# KiCad board FrontEnd_5G.kicad_pcb (continued)
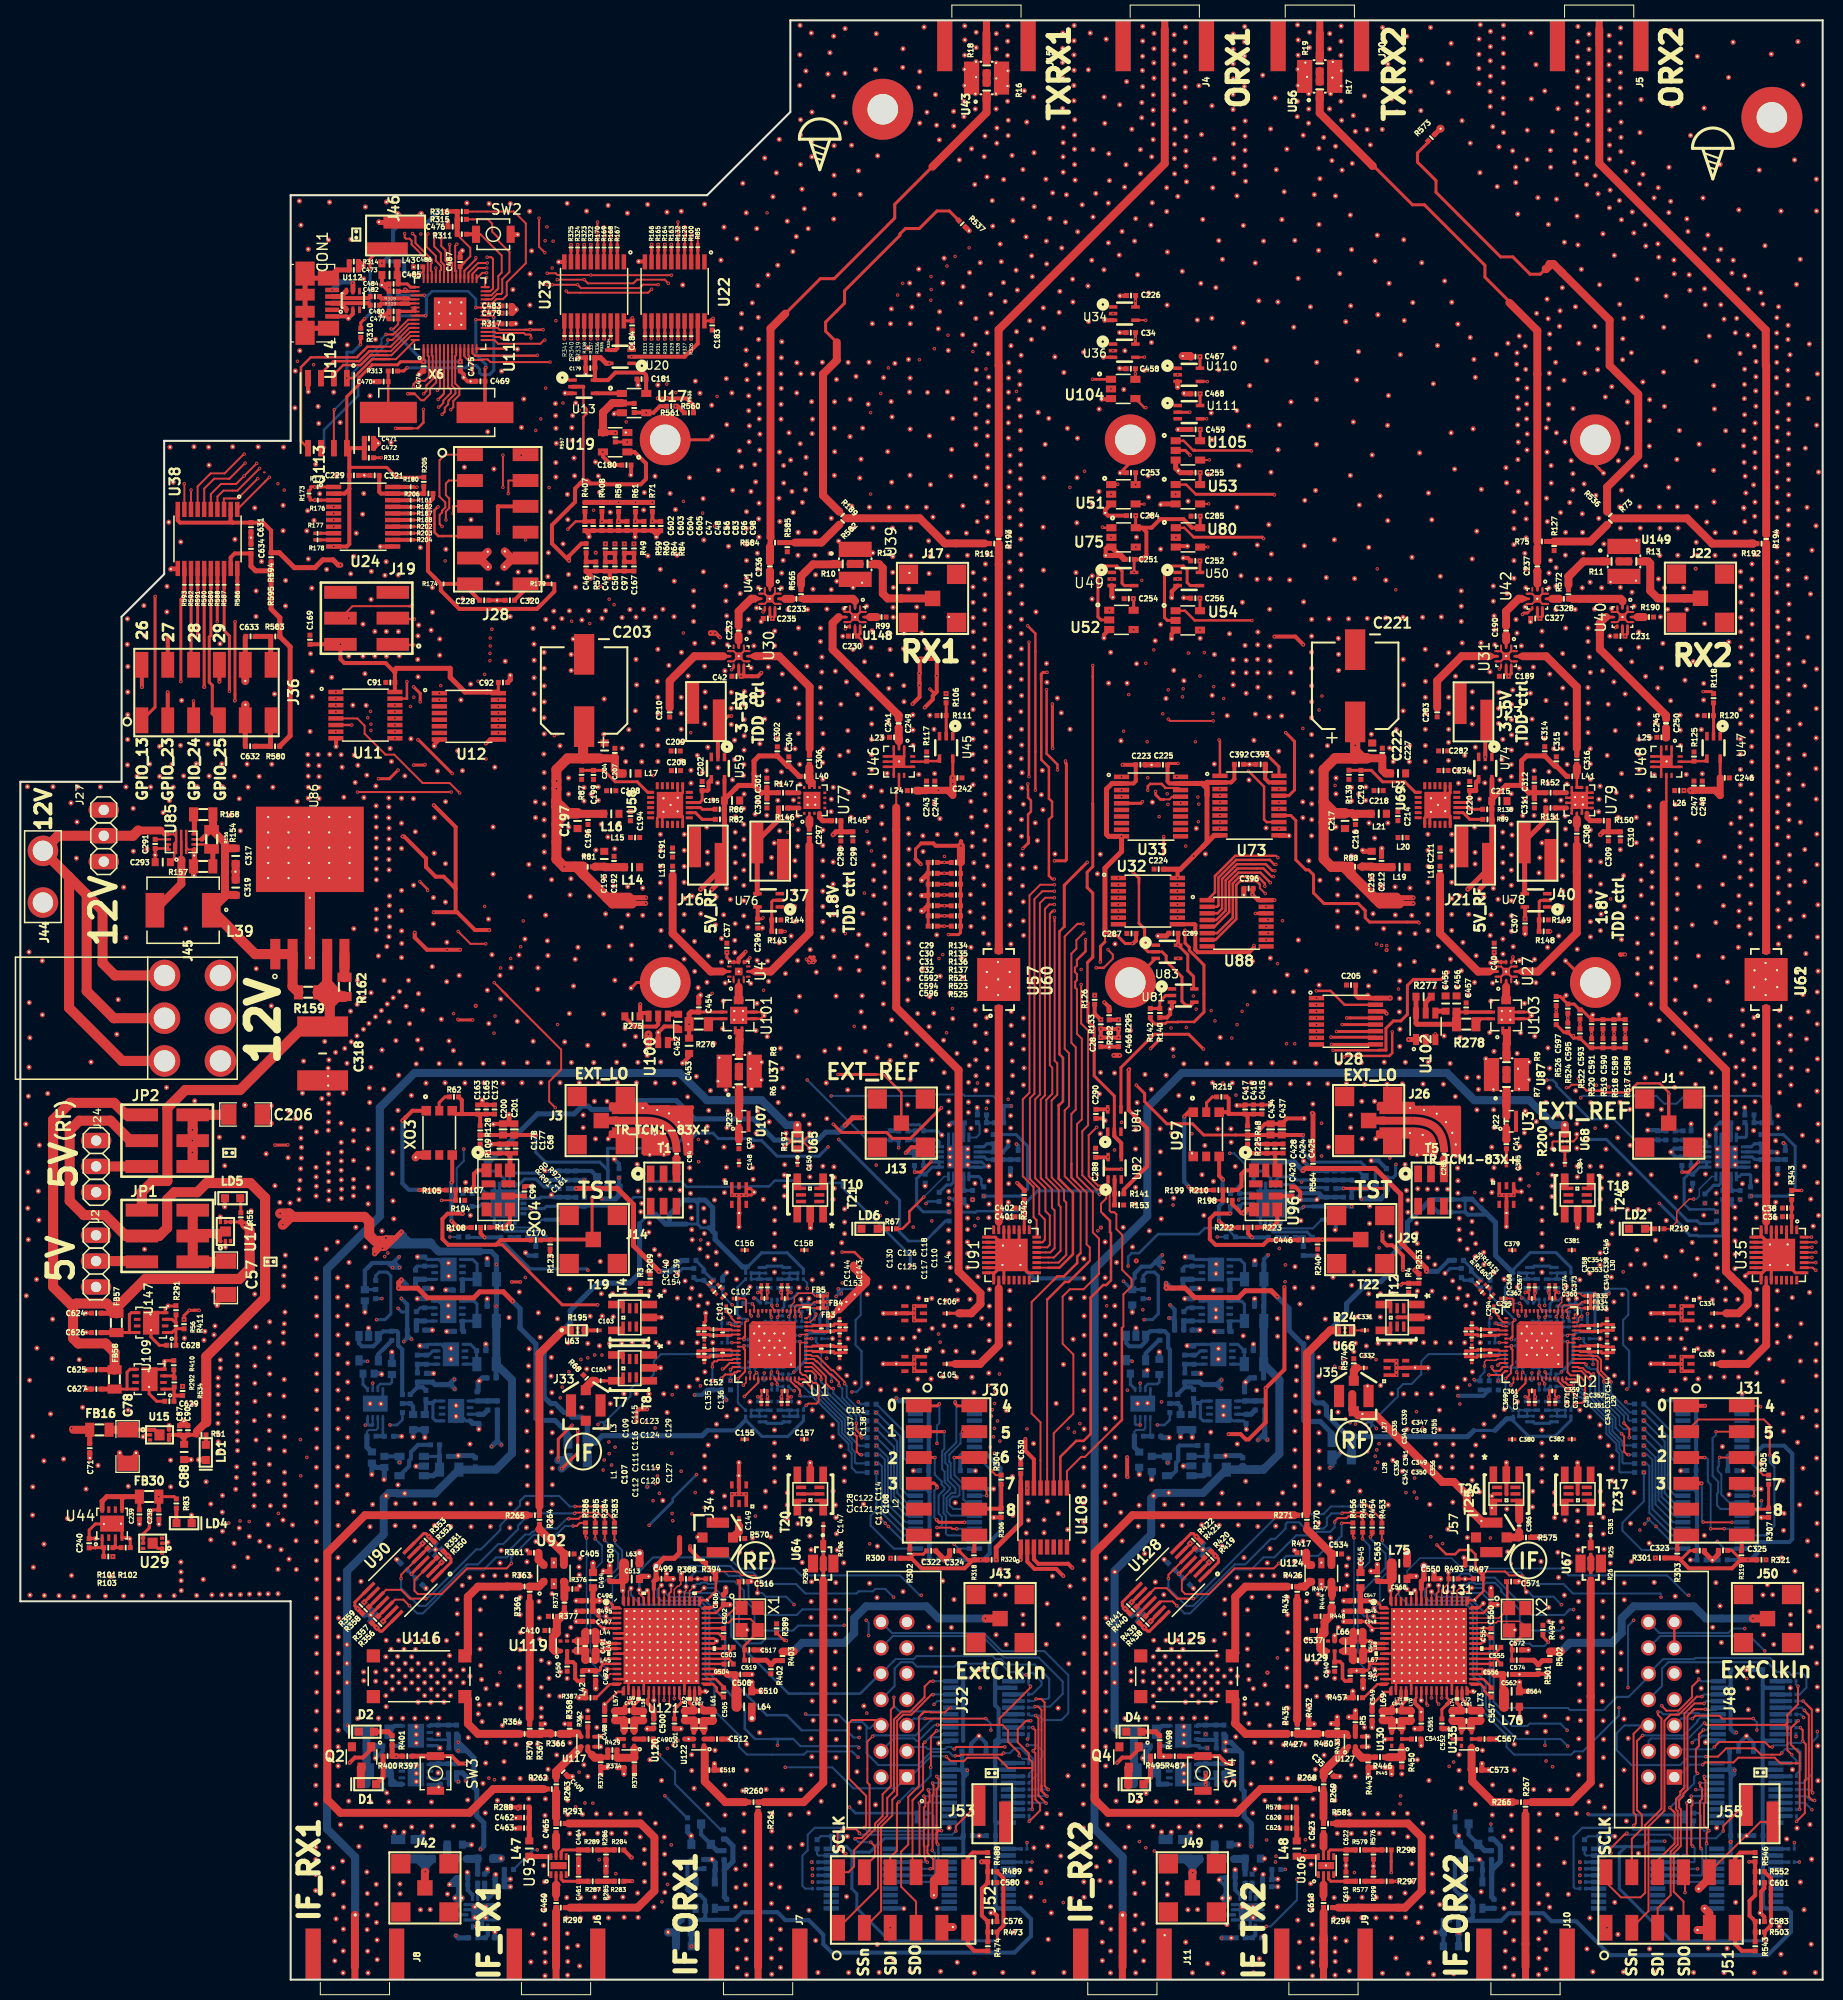
[diagram p0: board, top side]
## Routing (per net, layer and track width the routed paths; a pad name or vN(x,y) marks a point on that pad's centre or on a via; arc(x,y) is an arc through that point) (continued)
  F.RO w0.79: 70.69,92.02 70.69,92.42 ; 70.69,92.42 70.69,92.89 ; 70.69,92.42 70.67,92.4 U37.3
/RF/DA1/RF_OUT: length 5.3
  F.RO w0.2: U101.5 70.62,96.59 U4.2
  F.RO w0.3: 70.28,96.26 70.94,96.26 70.62,96.59 70.28,96.26
  F.RO w0.79: 70.62,97.59 70.62,96.26 70.62,96.59
/RF/DA1_EN_3V3: length 87.2
  F.RO w0.25: v1(105.4,157.31) 105.4,157.3 ; v1(105.4,157.31) 105.4,157.3 ; v1(105.4,157.31) 107.2,157.31 U104.1 105.4,157.3
  F.FR4 w0.25: v1(113.12,93.54) 113.73,92.93 116.14,92.93 116.43,93.23 v1(127.41,93.23)
  B.FR4 w0.2: 127.41,93.23 v1(127.41,93.23)
  B.FR4 w0.25: 105.41,157.32 v1(105.4,157.31) 105.4,146.02 105.95,145.47 105.95,144.56 105.36,143.97 105.36,138.95 104.82,138.41 104.82,125.1 105,124.92 105,123.3 105.93,122.37 105.93,112.81 107.81,110.93 108.54,110.93 110,109.47 110,102.71 112.28,100.43 112.28,99.95
  B.FR4 w0.3: 112.28,99.95 112.28,99.24 112.78,98.74 112.78,97.6 113.73,96.65 113.73,94.15 v1(113.12,93.54)
/RF/DA1_ON\off_3V3: length 49.7
  F.RO w0.25: U104.4 110.5,154.51 v1(110.64,154.51) ; v1(117.84,121.85) 117.92,121.77 U73.1
  F.FR4 w0.25: v1(108.45,122.71) 108.7,122.46 108.67,122.46 108.92,122.21 109.33,122.21 109.66,122.54 115.74,122.54 116.43,121.85 v1(117.84,121.85)
  B.FR4 w0.25: 108.79,146.5 108.79,131.3 108.33,130.84 108.33,127.96 108.08,127.71 108.08,123.08 v1(108.45,122.71)
  B.FR4 w0.3: 112.06,150.26 111.83,150.03 111.83,149.29 111.12,148.58 110.39,148.58 108.79,146.98 108.79,146.5 ; 111.83,152.58 111.83,153.32 v1(110.64,154.51)
  B.FR4 w0.4: 111.83,152.58 112.06,152.35 112.06,150.26
/RF/DA1_ON\off_5V: length 96.1
  F.RO w0.2: v1(90.84,110.41) 90.83,110.41
  F.RO w0.3: v1(64.51,92.42) 63.66,92.42 63.65,92.41 ; v1(122.4,120.54) 123.72,119.22 U73.20 ; v1(102.74,119.78) 102.74,119.6 102.83,119.51 102.83,110.09 102.71,109.97 v1(101.65,109.97)
  F.FR4 w0.2: 95.49,110.31 95.19,110.01 94.49,110.01 94.48,110 94.07,110.41
  F.FR4 w0.3: v1(122.4,120.54) 122.11,120.25 103.08,120.25 102.74,119.91 v1(102.74,119.78) ; 95.49,110.31 97.8,110.31 98.14,109.97 101.66,109.97 ; v1(68.01,96.94) 68.04,96.97 72.28,96.97 72.67,96.58 73.17,96.58 75.26,94.49 83.68,94.49 85.01,93.16 86.15,93.16 86.68,93.69 88.09,93.69 88.81,94.41 89.58,94.41 89.85,94.14 90.05,94.14 91.36,95.45 v1(91.63,95.45) ; v1(90.84,110.41) 94.07,110.41
  B.FR4 w0.2: 91.17,110.41 v1(90.84,110.41)
  B.FR4 w0.25: 92.07,98.19 92.07,98.89 91.75,99.21 91.75,101.31 92.07,101.63
  B.FR4 w0.3: 92.07,101.63 92.07,109.51 91.17,110.41 ; v1(91.63,95.45) 92.07,95.89 92.07,98.19
  B.FR4 w0.4: v1(68.01,96.94) 68.01,93.01 67.42,92.42 v1(64.51,92.42)
/RF/DA2/RF_IN: length 3.8
  F.RO w0.3: 146.13,92.89 U103.1 U103.2 146.13,93.03 146.13,92.89
  F.RO w0.79: U87.3 146.09,91.98 146.13,92.02 146.13,92.89
/RF/DA2/RF_OUT: length 3.8
  F.RO w0.3: U27.2 146.06,97.59 ; 146.06,96.59 U103.5 U103.6 146.06,96.59
  F.RO w0.79: 146.06,96.59 146.06,96.26 146.06,97.59
/RF/DA2_EN_3V3: length 77.7
  F.RO w0.25: U105.1 114.35,151.26 115.31,150.3 115.43,150.3 115.43,150.37 115.5,150.3 120.96,150.3 v1(121.01,150.25)
  F.FR4 w0.25: v1(127.41,92.58) 127.39,92.55 v1(119.09,92.55)
  B.FR4 w0.2: 127.41,92.58 v1(127.41,92.58)
  B.FR4 w0.25: v1(119.09,92.55) 119.09,96.81 115.76,100.14 115.76,108.98 118.53,111.75 118.53,123.15 119.91,124.53 119.91,130.2 119.68,130.43 119.68,131.4 119.97,131.69 119.97,134.07 121.01,135.11 v1(121.01,150.25)
/RF/DA2_ON\off_3V3: length 47.3
  F.RO w0.2: v1(116.88,149.38) 116.86,149.36 U105.4
  F.RO w0.3: 117.93,117.03 v1(117.92,117.03)
  F.FR4 w0.2: v1(114.24,126.09) 115.96,126.09 116.45,125.6 118.03,125.6 118.29,125.86 v1(118.29,125.92) ; v1(112.74,116.56) 113.16,116.56 113.3,116.7 113.73,116.7 114.06,117.03 v1(117.92,117.03)
  B.FR4 w0.2: v1(116.88,149.38) 118.33,149.38 118.49,149.22 118.49,144 118.15,143.66 118.15,134.35 117.77,133.97 117.77,131.16 117.75,131.15 117.93,130.97 117.93,126.28 v1(118.29,125.92) ; v1(112.74,116.56) 113.02,116.84 113.02,116.89 113.34,117.22 113.87,117.22 114.37,117.72 114.37,120.15 113.64,120.88 113.64,122.32 114.03,122.71 114.03,125.88 v1(114.24,126.09)
  B.FR4 w0.25: 117.92,117.03 v1(117.92,117.03)
/RF/DA2_ON\off_5V: length 38.6
  F.RO w0.25: v1(139.09,92.96) 139.09,92.96 U102.3 ; v1(123.71,117.02) 123.72,117.03 U73.18
  F.FR4 w0.25: v1(139.04,97.52) 138.89,97.37 v1(135.47,97.37)
  F.FR4 w0.3: v1(123.71,117.02) 124.64,117.02 125.31,117.69 128.92,117.69 v1(129.24,117.37)
  B.FR4 w0.2: 130.25,109.21 132.8,106.66 132.8,105.78 134.98,103.6 134.98,99.17
  B.FR4 w0.25: 129.42,112.5 130.25,111.66 130.25,109.21 ; v1(135.47,97.37) 135.35,97.37 134.98,97.74 134.98,99.17
  B.FR4 w0.3: v1(139.04,97.52) 139.09,97.47 v1(139.09,92.96) ; v1(129.24,117.37) 128.37,116.5 128.37,112.66 128.53,112.5 129.42,112.5
/RF/LNA1/RF_in: length 13.6
  F.RO w0.3: U39.5 80.44,133.93
  F.RO w0.79: C241.1 86.34,124.26 79.84,130.75 79.84,133.34 80.44,133.93
/RF/LNA1_EN_3V3: length 60.4
  F.RO w0.25: v1(107.05,134.59) U52.1
  F.FR4 w0.25: v1(127.41,94.53) 118.59,94.53
  F.FR4 w0.3: 118.59,94.53 117.72,93.65 115.53,93.65 115.47,93.59 v1(114.62,93.59)
  B.FR4 w0.2: 127.41,94.53 v1(127.41,94.53)
  B.FR4 w0.25: v1(107.05,134.59) 105.62,134.59 105.49,134.46 105.49,130.36 105.48,130.36 106.07,129.77 106.07,128.71 105.55,128.19 105.55,125.67 ; 105.55,125.67 105.77,125.45 105.77,124.17 106.35,123.59 106.35,120.01 106.66,119.7 106.66,113.08 108.06,111.68 108.81,111.68 110.5,109.99 110.5,103.93 110.56,103.87 110.56,102.88 112.78,100.66 112.78,100.3 ; 105.55,125.67 105.53,125.69
  B.FR4 w0.3: 112.78,100.3 112.78,99.64 113.43,98.99 113.43,97.88 114.35,96.96 114.35,96.38 114.31,96.34 114.31,93.9 v1(114.62,93.59)
/RF/LNA1_ON\off_3V3: length 28.6
  F.RO w0.2: v1(114.81,130.39) 114.94,130.38
  F.FR4 w0.2: 115.79,113.81 v1(115.8,113.81) 115.84,113.78 v1(117.92,113.78)
  F.FR4 w0.25: 114.57,130.38 114.8,130.38 v1(114.81,130.39)
  F.FR4 w0.3: v1(109.44,132.7) 109.44,130.33 109.58,130.19 114.11,130.19 114.3,130.38 114.57,130.38
  B.FR4 w0.15: 115.04,114.98 115.04,114.95 115.03,114.95
  B.FR4 w0.2: 117.92,113.78 v1(117.92,113.78) ; v1(115.8,113.81) 115.03,114.58 115.03,114.95 ; 115.04,114.98 114.53,115.49 114.53,116.74 115.11,117.32 115.11,120.37 114.32,121.16 114.32,122.02 114.69,122.39 114.69,124.66 115.11,125.08 115.11,130.21 ; 115.11,130.21 114.94,130.38 ; 115.11,130.21 114.93,130.39 v1(114.81,130.39)
/RF/LNA1_ON\off_5V: length 46.6
  F.RO w0.25: v1(120.72,118.78) 120.74,118.78 122.26,117.26 122.26,114.03 122.51,113.78 U73.13 ; v1(101.95,118.9) 101.95,119.43 100.88,120.5 v1(100.88,126.8)
  F.FR4 w0.25: 106.3,118.68 105.06,118.68 ; 106.3,118.68 106.92,118.68 107.14,118.9 108.9,118.9 109.12,118.68 112.73,118.68 112.94,118.89 114.27,118.89 114.48,118.68 116.65,118.68 116.86,118.89 120.61,118.89 v1(120.72,118.78) ; 106.3,118.68 105.06,118.68 ; 105.06,118.68 103.54,118.68 103.32,118.9 v1(101.95,118.9) ; v1(91,126.41) 92.5,126.41 93.3,125.61 93.78,125.61 94.42,126.25 97.39,126.25 97.94,126.8 v1(100.88,126.8)
/RF/LNA2/RF_in: length 14.6
  F.RO w0.3: U40.5 156.02,133.93
  F.RO w0.4: 155.44,133.35 155.27,133.35 155.85,133.93 ; 156.02,133.93 155.88,133.93
  F.RO w0.79: C245.1 161.78,124.27 155.27,130.77 155.27,133.35 155.85,133.93 155.88,133.93
/RF/LNA2_EN_3V3: length 58.6
  F.RO w0.25: U54.1 114.49,134.55 115.44,133.6 121.05,133.6 v1(121.06,133.59)
  F.FR4 w0.25: v1(127.41,93.88) 127.41,93.88 121.02,93.88 121.01,93.87 v1(119.61,93.87)
  B.FR4 w0.2: 127.41,93.87 v1(127.41,93.88)
  B.FR4 w0.25: v1(119.61,93.87) 119.61,97.4 116.54,100.47 116.54,108.67 119.01,111.14 119.01,122.52 120.77,124.28 120.77,125.18 121.07,125.48 121.07,133.58 v1(121.06,133.59)
/RF/LNA2_ON\off_3V3: length 23.3
  F.RO w0.2: v1(117.89,113.12) 117.9,113.12 U73.9
  B.FR4 w0.2: v1(117.89,113.12) 117.46,113.12 115.41,115.17 115.42,115.16 115.43,115.16 114.84,115.75 114.84,116.57 115.43,117.16 115.43,120.59 114.76,121.26 114.76,121.9 115.09,122.23 115.09,124.29 115.43,124.63 115.43,130.55 115.07,130.91 115.07,132.39 115.33,132.65 v1(115.96,132.65) ; v1(115.96,132.65) 115.69,132.65 v1(115.96,132.65)
/RF/LNA2_ON\off_5V: length 54.1
  F.RO w0.3: v1(165.42,126.6) 166.25,126.6 R118.1
  F.FR4 w0.3: v1(165.42,126.6) 161.84,126.6 159.37,124.13 156.01,124.13 155.15,123.27 148.65,123.27 148.32,122.94 145.6,122.94 144.91,122.25 134.4,122.25 133.67,122.98 126.08,122.98 v1(126.07,122.99)
  B.FR4 w0.3: v1(165.42,126.6) 165.42,126.62 ; v1(123.72,113.12) 123.81,113.22 124.91,113.22 124.91,121.83 v1(126.07,122.99)
/RF/PA1_A/RF_in: length 23.8
  F.RO w0.3: 67.86,99.09 64.12,102.83 L13.2 ; 69.25,99.09 U4.11
  F.RO w0.5: 69.25,99.09 68.99,99.09
  F.RO w0.79: L13.2 64.12,102.83 67.86,99.09 68.99,99.09
/RF/PA1_A/RF_out: length 9.5
  F.RO w0.3: 69.1,130.08 U30.5
  F.RO w0.79: C210.2 63.83,127.65 66.26,130.08 69.1,130.08
/RF/PA1_A\pa1_b_CTRL_3V3: length 20
  F.RO w0.25: 115.39,94.14 113.79,94.14 113.77,94.12 112.71,94.12 112.57,93.98 112.19,93.98 112.15,93.94
  F.RO w0.3: 112.15,93.94 111.51,93.94 111.08,94.37 R140.1 ; 115.39,94.14 116.35,95.1 116.35,99.73 114.91,101.17 114.91,101.47 114.49,101.89 v1(114.49,103.14)
  B.FR4 w0.3: 113.74,107.63 v1(113.74,107.64) 114.12,107.64 114.38,107.37 114.38,103.25 v1(114.49,103.14)
/RF/PA1_A_EN_3V3: length 74.2
  F.RO w0.25: v1(127.4,97.19) 128.8,97.19 130.17,95.83 U28.15 ; v1(107.88,146.98) 107.85,146.95 U51.1
  F.RO w0.4: 133.22,95.82 U28.15
  F.FR4 w0.3: v1(127.4,97.19) 126.81,97.78 119.23,97.78 118.13,96.68 v1(115.31,96.68)
  B.FR4 w0.25: v1(107.88,146.98) 108.04,146.82 108.04,135.46 108.26,135.24 108.26,131.93 107.87,131.54 107.87,129.98 107.46,129.57 107.47,129.57 107.47,128.2 107.44,128.2 107.69,127.95 107.69,126.77 107.47,126.55 107.47,121.41 107.84,121.03 107.84,120.23 107.85,120.23 107.71,120.09 107.71,114.96 111.68,110.99 111.68,104.52 114.47,101.73 114.47,100.52 114.46,100.51 114.46,98.78 115.31,97.93 115.31,96.96
  B.FR4 w0.3: 115.31,96.96 v1(115.31,96.68)
/RF/PA1_A_ON\off_3V3: length 37.4
  F.RO w0.2: v1(110.47,145.03) 109.65,145.03 U51.4 ; v1(117.93,116.39) 117.92,116.38 U73.4
  F.FR4 w0.2: v1(116.39,130.44) 116.34,130.44 115.51,131.27 113.92,131.27 113.35,130.7 v1(111.42,130.7)
  B.FR4 w0.2: v1(110.47,145.03) 110.47,140.85 110.84,140.48 110.84,138.63 111.22,138.25 111.22,136.1 110.84,135.72 110.84,131.17 111.31,130.7 v1(111.42,130.7) ; v1(117.93,116.39) 116.89,116.39 116.8,116.48 116.8,121.07 116.99,121.26 116.99,122.06 116.49,122.56 116.49,127.16 117.01,127.68 117.01,128.4 116.39,129.02 v1(116.39,130.44)
/RF/PA1_A_ON\off_5V: length 77.2
  F.RO w0.3: v1(124.38,122.56) 124.4,122.56 125.25,121.71 125.25,116.93 124.69,116.38 U73.17 ; v1(69.92,124.2) 69.6,124.2 69.24,123.84 J18.2 ; v1(101.45,125.38) 101.45,121.06 v1(101.48,121.03)
  F.RO w0.4: U59.2 68.57,123.74 J18.2
  F.FR4 w0.3: v1(124.38,122.56) 123.24,122.56 121.71,121.03 v1(101.48,121.03) ; v1(69.92,124.2) 70.5,124.2 71.03,124.73 75.4,124.73 75.43,124.76 82.1,124.76 84.16,126.82 84.16,126.81 85.01,127.66 86.28,127.66 86.5,127.88 87.31,127.88 87.35,127.84 89.12,127.84 89.41,127.55 89.98,127.55 90.33,127.2 90.33,126.22 91.5,125.05 92.21,125.05 93.14,124.12 93.78,124.12 94.57,124.91 97.05,124.91 97.93,124.03 98.9,124.03 100.25,125.38 100.53,125.38 100.53,125.37 100.54,125.38 v1(101.45,125.38)
  B.FR4 w0.25: v1(101.45,125.38) 101.44,125.38
/RF/PA1_A_SEL: length 50.1
  F.RO w0.3: v1(71.71,100.43) 71.3,100.02 U4.7
  F.FR4 w0.25: 113.68,100.25 v1(113.81,100.38) ; 112.36,100.25 111.17,100.25 110.59,100.83 107.9,100.83
  F.FR4 w0.3: 112.36,100.25 113.68,100.25 ; 107.9,100.83 107.64,100.57 106.66,100.57 106.48,100.75 103.78,100.75 103.78,100.61 99.26,96.09 94.45,96.09 94.34,96.2 90.41,96.2 89.93,95.72 87.87,95.72 87.54,95.39 87.21,95.39 86.9,95.08 85.26,95.08 85.1,94.92 84.18,94.92 83.31,95.79 81.73,95.79 81.04,95.1 77.63,95.1 76.73,96 75.14,96 73.89,97.25 v1(73.06,97.25)
  B.FR4 w0.25: v1(113.81,100.38) 113.8,100.38
  B.FR4 w0.3: v1(73.06,97.25) 72.68,97.63 72.68,99.05 72.33,99.4 71.85,99.4 71.85,99.45 71.71,99.59 v1(71.71,100.43)
/RF/PA1_A_SELn: length 84.3
  F.RO w0.25: v1(69.91,128.75) 70.12,128.96 U30.7 ; v1(101.64,108.18) 101.42,108.18 101.11,108.49 101.11,114.03 101.42,114.34 101.42,115.78 101.11,116.09 101.11,119.16 100.36,119.91 100.36,127.74 ; 110.52,103.28 109.96,103.83 109.96,107.86 ; 112.23,101.03 U83.2 111.23,101.03
  F.RO w0.3: 112.23,101.03 112.64,100.62 112.64,100.1 114.19,98.55 114.19,96.15 114.57,95.77 115.09,95.77 U81.4 ; 110.52,102.84 110.52,101.38 110.86,101.03 U83.2 ; 110.52,102.84 110.52,103.28 ; 110.52,102.84 110.52,103.28 ; 110.52,103.28 109.96,103.83 ; v1(109.38,108.85) 109.96,108.27 109.96,107.86 ; v1(100.92,128.49) 100.53,128.49 100.36,128.32 100.36,127.74
  F.FR4 w0.25: 94.74,127.81 97.39,127.81 98.07,128.49 v1(100.92,128.49) ; v1(109.38,108.85) 108.65,108.85 108.59,108.91 107.31,108.91 106.86,108.46 106.86,108.2 106.71,108.05 104.4,108.05 104.27,108.18 v1(101.64,108.18)
  F.FR4 w0.3: 72.94,127.53 71.43,127.53 71.3,127.4 70.05,127.4 69.91,127.54 v1(69.91,128.75)
  F.FR4 w0.4: 72.94,127.53 75.45,127.53 76.33,128.41 77.64,128.41 78.34,127.71 79.29,127.71 80.33,126.67 81.45,126.67 83.66,128.88 87.54,128.88 87.73,129.06 88.88,129.06 89.06,128.88 91.09,128.88 91.09,128.89 91.35,128.63 93.92,128.63 94.74,127.81
/RF/PA1_B/RF_IN: length 20.2
  F.RO w0.3: U4.5 71.97,99.09
  F.RO w0.5: 72.25,99.09 71.97,99.09 ; 74.54,99.87 73.76,99.09 ; 77.56,111.49 C297.2 ; 77.56,102.89 77.56,105.08
  F.RO w0.79: 72.25,99.09 73.76,99.09 77.56,102.89 77.56,111.49
/RF/PA1_B/RF_OUT: length 17.5
  F.RO w0.3: 71.56,130.09 72.01,130.09 ; 77.59,120.37 C306.1
  F.RO w0.5: 72.29,130.09 72.01,130.09 72.03,130.09 74.56,130.09 74.91,129.75 74.57,130.09 ; 77.59,120.37 77.59,121
  F.RO w0.79: 72.29,130.09 74.57,130.09 77.59,127.08 77.59,121
/RF/PA1_B_EN_3V3: length 66.1
  F.RO w0.25: v1(106.38,142.77) 106.44,142.71 U75.1
  F.FR4 w0.25: v1(127.41,96.48) 120.19,96.48
  F.FR4 w0.3: 120.19,96.48 119.57,95.85 116.75,95.85 116.66,95.75 115.96,95.75 v1(115.59,95.39)
  B.FR4 w0.2: 127.41,96.47 v1(127.41,96.48)
  B.FR4 w0.25: v1(106.38,142.77) 106.09,142.48 106.09,136.26 107.69,134.66 107.69,132.21 106.48,131 106.48,127.95 106.48,128.04 106.18,127.74 106.18,127.05 106.43,126.8 106.48,126.8 106.48,124.54 106.92,124.1 106.92,120.86 107.27,120.51 107.27,114.09 107.53,113.83 107.53,113.84 111.07,110.3 111.07,104.23 113.32,101.98 113.32,99.93 113.98,99.27 113.98,98.49 114.79,97.68 114.79,96.58
  B.FR4 w0.3: v1(115.59,95.39) 114.79,96.19 114.79,96.58
/RF/PA1_B_ON\off_3V3: length 34.2
  F.RO w0.2: v1(117.94,115.74) 117.93,115.73 U73.5
  F.FR4 w0.2: v1(117.94,115.74) 116.92,115.74 116.72,115.54 v1(115.84,115.54)
  F.FR4 w0.25: v1(110.76,121.67) v1(115.51,121.67)
  B.FR4 w0.2: 109.65,140.8 110.5,139.94 110.5,138.27 110.53,138.27 110.82,137.98 110.82,136.86 110.49,136.53 110.5,136.53 110.5,130.68 111.28,129.9 111.28,128.96 110.76,128.44 v1(110.76,121.67) ; 115.76,120.8 115.76,116.89 115.27,116.4 115.27,115.74 115.47,115.54 v1(115.84,115.54)
  B.FR4 w0.25: v1(115.51,121.67) 115.76,121.42 115.76,120.8
  B.FR4 w0.3: 109.65,140.8 v1(109.65,140.81)
/RF/PA1_B_ON\off_5V: length 63.8
  F.RO w0.25: v1(75.17,103.03) 75.16,103.04 R143.2 ; 99.1,112.28 99.06,112.32 99.06,114.52 99.34,114.8 99.34,115.9 99.06,116.18 99.06,116.95 99.04,116.97 v1(99.04,117.53)
  F.RO w0.3: v1(98.55,111.18) 99.1,111.73 99.1,112.28
  F.FR4 w0.2: 82.92,106.41 82.97,106.46 v1(82.97,106.8) ; 88.3,111.63 88.25,111.68 85.49,111.68 84.76,110.95 v1(83.66,110.95) ; 95.69,110.82 95.46,110.82 95.03,111.25 94.51,111.25 94.13,110.87 91.97,110.87
  F.FR4 w0.25: v1(99.04,117.53) 109.12,117.53 109.05,117.46 109.05,117.53 109.18,117.4 113.2,117.4 113.41,117.61 118.99,117.61 ; 95.69,110.82 97.64,110.82 ; 88.3,111.63 91.21,111.63 91.97,110.87
  F.FR4 w0.3: v1(75.79,104.75) 77,104.75 77.01,104.74 78.94,104.74 79.66,105.46 81.97,105.46 82.92,106.41 ; 97.64,110.82 98,111.18 v1(98.55,111.18) ; 118.99,117.61 119.23,117.61 120.44,116.4 122.75,116.4 123.44,115.71 123.71,115.71 v1(123.72,115.73)
  B.FR4 w0.2: 82.95,106.83 82.95,106.82 v1(82.97,106.8) 82.97,110.26 v1(83.66,110.95)
  B.FR4 w0.3: v1(75.17,103.03) 75.17,104.13 v1(75.79,104.75) ; v1(123.72,115.73) 123.72,115.72
/RF/PA1_CPL_D0_3V3: length 56.7
  F.RO w0.2: U32.2 v1(107.94,107.62) ; v1(101.65,107.62) 100.25,107.62 99.2,106.57 99.2,87.18 98.54,86.52 98.54,78.97 99.6,77.91 99.6,74.95 99.91,74.65 U91.32
  F.RO w0.3: R135.1 v1(90.81,108.74) C30.2
  F.FR4 w0.2: v1(90.81,108.74) 90.87,108.8 93.96,108.8 94.25,108.51 94.88,108.51 95.72,107.67 97.91,107.67 98.29,108.05 98.84,108.05 99.27,107.62 v1(101.65,107.62) v1(107.94,107.62)
/RF/PA1_CPL_D1_3V3: length 56.5
  F.RO w0.2: v1(107.94,106.98) U32.3 ; v1(101.65,106.98) 100.46,106.98 99.69,106.21 99.69,87.08 99.24,86.63 99.24,78.69 100.16,77.77 100.16,75.27 100.71,74.72 100.71,72.72 100.48,72.49 100.48,72.48 U91.31
  F.RO w0.3: R136.1 v1(90.83,107.67) C31.2
  F.FR4 w0.2: v1(90.83,107.67) 93.32,107.67 93.95,107.04 96.77,107.04 97.05,107.32 97.73,107.32 98.07,106.98 v1(101.65,106.98) v1(107.94,106.98)
/RF/PA1_CPL_D2_3V3: length 56.7
  F.RO w0.2: v1(107.94,106.34) U32.4 ; v1(101.65,106.34) 100.74,106.34 100.22,105.82 100.22,86.99 99.76,86.53 99.76,78.78 100.77,77.77 100.77,75.54 101.2,75.11 101.2,72.23 100.95,71.98 U91.30
  F.RO w0.3: R137.1 v1(90.81,106.61) C32.2
  F.FR4 w0.2: v1(90.81,106.61) 92.53,106.61 93.18,105.96 93.93,105.96 94.35,106.38 96.71,106.38 96.91,106.18 97.73,106.18 98.06,106.51 99.5,106.51 99.67,106.34 v1(101.65,106.34) v1(107.94,106.34)
/RF/PA1_CPL_D3_3V3: length 56.2
  F.RO w0.2: v1(107.93,105.68) 107.94,105.68 107.94,105.69 ; v1(101.65,105.68) 101.15,105.68 100.72,105.25 100.72,86.91 100.31,86.5 100.31,78.79 101.41,77.69 101.41,75.87 101.67,75.61 101.67,71.9 101.25,71.48 U91.29
  F.RO w0.3: R521.1 91.51,105.56 v1(90.83,105.56) C592.2
  F.FR4 w0.2: v1(90.83,105.56) 93.99,105.56 94.44,105.11 94.91,105.11 95.41,105.61 97.8,105.61 98.01,105.4 99.3,105.4 99.58,105.68 v1(101.65,105.68) v1(107.93,105.68)
/RF/PA1_CPL_D4_3V3: length 57
  F.RO w0.2: U32.6 v1(107.94,105.05) ; 101.48,105.04 101.34,104.91 101.49,105.05 ; v1(101.65,105.05) 101.49,105.05 ; 101.49,105.05 101.2,104.76 101.2,89.88 101.44,89.64 101.44,87.07 100.86,86.49 100.86,78.84 102.07,77.62 102.07,76.15 102.26,75.96 102.26,71.64 101.6,70.98 U91.28
  F.RO w0.3: R523.1 v1(90.83,104.56) C594.2
  F.FR4 w0.2: 98.45,104.8 98.02,104.37 95.69,104.37 95.12,103.79 94.04,103.79 93.59,104.24 92.96,104.24 92.64,104.56 v1(90.83,104.56) ; v1(107.94,105.05) v1(101.65,105.05) 100.61,105.05
  F.FR4 w0.25: 100.61,105.05 100.36,104.8 98.45,104.8
/RF/PA1_CPL_D5_3V3: length 57
  F.RO w0.2: U32.7 v1(107.94,104.38) ; v1(101.66,104.38) 101.66,104.06 101.67,104.05 101.67,90.33 101.93,90.07 101.93,86.97 101.38,86.42 101.38,78.85 102.6,77.63 102.6,76.6 102.81,76.39 102.81,71.23 102.06,70.48 U91.27 ; v1(90.82,103.55) R525.1
  F.RO w0.3: C596.2 v1(90.82,103.55)
  F.FR4 w0.2: 96.59,102.97 96.14,103.41 94.37,103.41 93.88,102.92 92.6,102.92 91.97,103.55 v1(90.82,103.55) ; v1(101.66,104.38) v1(107.94,104.38)
  F.FR4 w0.25: 96.59,102.97 97.99,102.97 98.31,103.3 99.56,103.3 100.65,104.38 v1(101.66,104.38)
/RF/PA1_CPL_D6_3V3: length 81.8
  F.RO w0.2: 101.06,69.98 U91.26
  F.RO w0.25: 102.07,85.93 102.15,86.01 102.07,85.93 ; 102.07,85.93 102.07,85.91 ; 102.07,85.91 102.07,78.72 103.47,77.32 103.47,71.3 102.15,69.98 101.06,69.98 ; 102.07,85.91 102.49,86.33 102.49,90.61 102.15,90.95 102.15,103.03 102.62,103.5
  F.RO w0.3: 102.62,103.5 102.62,107.57 v1(104.87,109.82) ; R134.1 v1(90.82,109.81) C29.2
  F.FR4 w0.2: 98.01,108.56 97.75,108.82 94.78,108.82 94.4,109.2 93.22,109.2 92.61,109.81 v1(90.82,109.81)
  F.FR4 w0.25: 98.01,108.56 100.82,108.56 101.34,109.08 104.13,109.08 v1(104.87,109.82) ; v1(122.46,105.46) 122.46,105.69 121.78,106.37 121.78,107.53 119.91,109.4
  F.FR4 w0.3: 119.91,109.4 104.45,109.4
  B.FR4 w0.25: v1(122.46,105.46) 122.46,105.46 122.45,105.46
/RF/PA1_CPL_OUT: length 15.1
  F.RO w0.5: 94.78,141.17 95.26,141.17 R191.2
  F.RO w0.79: 81.18,143.64 88.4,143.64 90.87,141.17 94.78,141.17
/RF/PA2_A/RF_in: length 23.8
  F.RO w0.3: U27.11 144.66,99.09
  F.RO w0.5: 143.31,99.09 139.56,102.84 L18.2 ; 144.38,99.09 144.66,99.09
  F.RO w0.79: L18.2 139.56,102.84 143.31,99.09 144.38,99.09
/RF/PA2_A/RF_out: length 15.6
  F.RO w0.3: 144.68,130.09 144.69,130.08 U31.5
  F.RO w0.5: 141.69,130.09 139.28,127.67 C283.2 ; 144.42,130.09 144.68,130.09
  F.RO w0.79: C283.2 139.28,127.67 141.69,130.09 144.42,130.09
/RF/PA2_A\pa2_b_CTRL_3V3: length 36.8
  F.RO w0.3: v1(107.95,108.28) 107.94,108.28 107.94,108.28
  F.RO w0.4: v1(108.95,89.42) 109,89.47 v1(108.95,89.42) ; v1(108.95,89.42) 108.95,85.48 110.78,83.65 110.78,79.96 108.47,77.65 R141.1
  B.FR4 w0.25: 109.43,102.69 111.83,100.29
  B.FR4 w0.3: 111.83,100.29 111.83,98.67 112.27,98.23
  B.FR4 w0.4: v1(108.95,89.42) 109.14,89.61 109.14,91.27 109.13,91.27 109.13,91.95 110.8,93.62 110.8,95.39 112.27,96.86 112.27,98.23 ; v1(107.95,108.28) 109.11,108.28 109.43,107.96 109.43,102.69
/RF/PA2_A_EN_3V3: length 71.4
  F.RO w0.25: 115.55,146 114.6,146.95 U53.1
  F.RO w0.3: v1(123.28,145.94) 123.22,146 115.55,146
  F.FR4 w0.25: v1(127.41,95.83) 122.27,95.83
  F.FR4 w0.3: 122.27,95.83 122.26,95.82 v1(120.63,95.82)
  B.FR4 w0.2: 127.41,95.82 v1(127.41,95.83)
  B.FR4 w0.25: v1(120.63,95.82) 120.72,95.91 120.72,97.92 118.51,100.13 118.51,109 120.12,110.61 120.12,119.81 ; v1(123.28,145.94) 124.24,144.98 124.24,125.89 124.74,125.39 124.74,124.05 123.16,122.47 123.12,122.47
  B.FR4 w0.3: 120.12,119.81 121.01,120.7 121.36,120.7 123.12,122.47
/RF/PA2_A_ON\off_3V3: length 41.9
  F.RO w0.2: v1(116.81,145.06) 116.8,145.05 U53.4
  F.RO w0.3: 117.93,115.07 v1(117.92,115.08)
  F.FR4 w0.2: v1(112.81,115.52) 113.13,115.52 113.89,114.76 116.76,114.76 117.08,115.08 v1(117.92,115.08) ; v1(114.31,126.88) 114.31,126.87 114.35,126.91 117.13,126.91 v1(117.31,127.09)
  B.FR4 w0.2: v1(117.92,115.08) 117.92,115.07 ; v1(116.81,145.06) 117.41,145.06 117.53,144.94 117.53,134.97 117.33,134.77 117.33,131.94 117.23,131.84 117.23,130.88 116.86,130.51 116.86,129.06 117.31,128.61 v1(117.31,127.09) ; v1(112.81,115.52) 113.16,115.87 113.4,115.87 114.1,116.57 114.1,116.89 114.73,117.52 114.73,120.26 113.97,121.02 113.97,122.17 114.37,122.57 114.37,125.01 114.73,125.37 114.73,126.75 114.6,126.88 v1(114.31,126.88)
/RF/PA2_A_ON\off_5V: length 27.1
  F.RO w0.3: 144.03,123.27 144.04,123.26 ; 123.34,115.09 123.36,115.08 v1(123.72,115.08)
  F.RO w0.4: 144.04,123.26 144,123.23 v1(144,120.19)
  F.FR4 w0.3: v1(144,120.19) 143.09,120.19 142.49,119.59 141.03,119.59 140.42,118.98 131.17,118.98 129.97,117.78 129.97,115.94 128.97,114.94 123.97,114.94 123.84,115.08 v1(123.72,115.08)
  B.FR4 w0.3: v1(144,120.19) 144.01,120.19 ; v1(123.72,115.08) 123.72,115.08
/RF/PA2_A_SEL: length 53.2
  F.RO w0.25: 129.01,91.34 v1(129.04,91.34) 133.51,91.34 133.53,91.36
  F.RO w0.3: v1(146.72,100.52) 146.72,100.18 U27.7 ; v1(140.38,99.03) 139.66,98.31 136.94,98.31 136.35,97.72 136.35,94.88 135.7,94.23 134.97,94.23 134.24,93.5 134.24,91.36 133.53,91.36 ; v1(116.3,91.47) 114.85,92.92 111.46,92.92 108.19,89.65 U84.4
  F.FR4 w0.25: 143.05,101.63 145.8,101.63 146.72,100.71 v1(146.72,100.52)
  F.FR4 w0.3: v1(140.38,99.03) 142.98,101.63 143.05,101.63 ; v1(116.3,91.47) 117.13,91.47 117.14,91.48 123.17,91.48 123.38,91.27 125.3,91.27 125.51,91.48 128.02,91.48 128.16,91.34 v1(129.04,91.34)
  B.FR4 w0.3: v1(140.38,99.03) 140.38,99.04 v1(140.38,99.03)
/RF/PA2_A_SELn: length 94.6
  F.RO w0.2: v1(145.39,128.81) 145.56,128.98 U31.7
  F.RO w0.25: 105.42,115.58 105.43,115.58 105.42,115.59 v1(105.42,129.17) ; 104.9,99.98 104.9,96.08 104.95,96.03
  F.RO w0.3: 104.9,99.98 105.42,100.5 105.42,106.8 104.87,107.35 104.87,108.85 105.42,109.4 105.42,115.58 ; 104.95,96.03 104.95,94.17 105.56,93.56 105.56,88.83 107.54,86.85 U84.2
  F.RO w0.4: U84.2 107.54,82.91 108.22,82.23 U82.4
  F.FR4 w0.25: 125.11,129.02 115.76,129.02 115.17,128.43 113.89,128.43 113.46,128 110.14,128 108.97,129.16 105.43,129.16 v1(105.42,129.17) ; 125.11,129.02 125.83,129.02 ; 125.11,129.02 125.83,129.02 ; 125.83,129.02 126.45,129.64
  F.FR4 w0.3: 126.45,129.64 128.92,129.64 129.27,129.29 134.51,129.29 135.75,130.53 136.78,130.53 137.27,130.04 139.62,130.04 139.82,129.84 140.52,129.84 141.95,128.41 143.32,128.41 144.09,129.18 145.02,129.18 v1(145.39,128.81)
/RF/PA2_B/RF_IN: length 28.4
  F.RO w0.3: U27.5 147.44,99.09
  F.RO w0.5: 149.19,99.09 153,102.9 153,108.92 ; 147.71,99.09 147.44,99.09 ; 153,111.52 C308.2
  F.RO w0.79: 153,108.92 153,111.52 ; 153,108.92 153,102.9 149.19,99.09 147.71,99.09 ; 153,108.92 153,108.86
/RF/PA2_B/RF_OUT: length 26.6
  F.RO w0.3: U31.11 147.44,130.08
  F.RO w0.5: 150.34,129.74 153,127.06 153,121.78 ; 150.34,129.74 150,130.08 ; 150.34,129.74 149.99,130.09 147.44,130.09 147.44,130.08 147.72,130.08 ; 153,121.02 C316.1
  F.RO w0.79: 153,121.02 153,127.06 150,130.08 147.72,130.08
/RF/PA2_B_EN_3V3: length 65.9
  F.RO w0.25: 115.35,141.78 114.42,142.71 U80.1
  F.RO w0.3: v1(122.22,141.64) 122.08,141.78 115.35,141.78
  F.FR4 w0.25: v1(120.1,95.17) 121.86,95.17 121.87,95.18 v1(127.41,95.18)
  B.FR4 w0.2: 127.41,95.18 v1(127.41,95.18)
  B.FR4 w0.25: v1(120.1,95.17) 120.1,97.68 117.46,100.32 117.46,108.77 119.54,110.85 119.54,121.7 122.21,124.37 122.21,138.2
  B.FR4 w0.3: v1(122.22,141.64) 122.21,141.63 122.21,138.2
